# Altium PCB TG102LE4G_A7682_240822.PcbDoc (part 1 of 2) (continued)
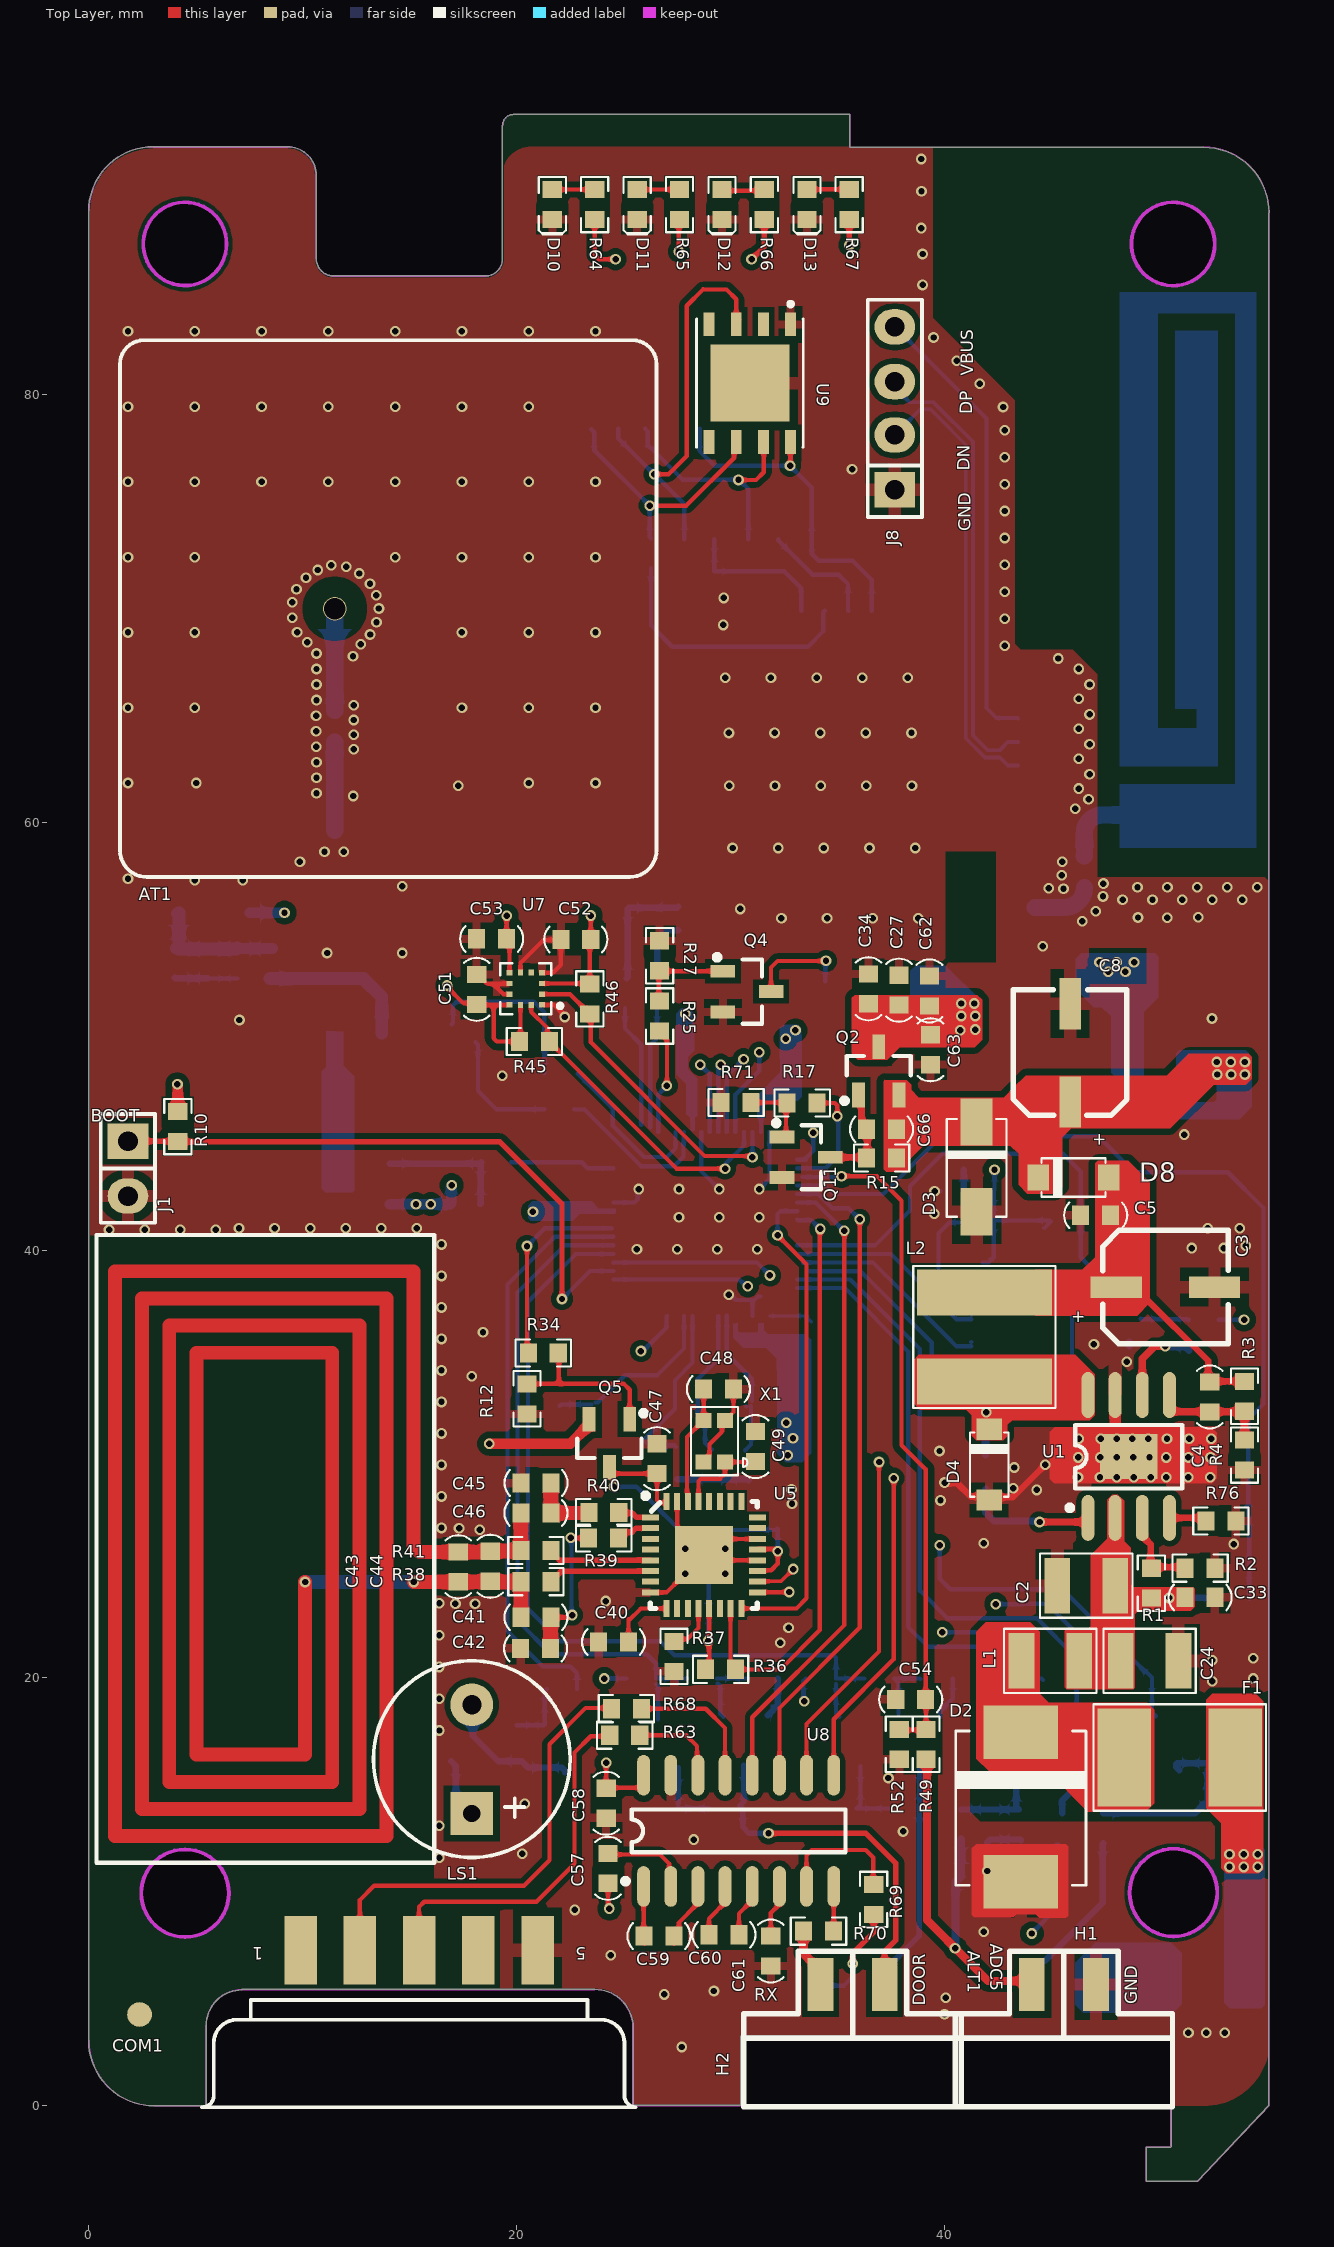
[diagram p0: Top Layer view]
## Footprints (in the part's own frame and the unit in brackets; to place one, negate y for a bottom-side part, rotate by r counter-clockwise, add the part's x,y. Pads: shape width x height; smd on the part's side, far side on the other; paste and mask are expansions set on the pad) (continued)
  rect 0.9x0.25 smd: 17(4.243,-3.216) 18(4.243,-2.816) 19(4.243,-2.416) 20(4.243,-2.016) 21(4.243,-1.616) 22(4.243,-1.216) 23(4.243,-0.816) 24(4.243,-0.416) 25(4.243,-0.016) 26(4.243,0.384) 27(4.243,0.784) 28(4.243,1.184) 29(4.243,1.584) 30(4.243,1.984) 31(4.243,2.384) 32(4.243,2.784) 49(-4.357,2.784) 50(-4.357,2.384) 51(-4.357,1.984) 52(-4.357,1.584) 53(-4.357,1.184) 54(-4.357,0.784) 55(-4.357,0.384) 56(-4.357,-0.016) 57(-4.357,-0.416) 58(-4.357,-0.816) 59(-4.357,-1.216) 60(-4.357,-1.616) 61(-4.357,-2.016) 62(-4.357,-2.416) 63(-4.357,-2.816) 64(-4.357,-3.216)
  silkscreen extent -3.37,-5.95 2.84,2.68, body extent -4.58,-4.72 4.42,4.28, height 1.4
INDUCTOR-5D28 [mm] "Shielded Inductor 6x6mm"
  rect 2.15x6.3 smd: 1(-2.075,0) 2(2.075,0)
  silkscreen extent -3.33,-3.33 3.33,3.33, body extent -3.1,-3 2.9,3, height 3
"Jinchang - 1575" [mm] "Anten GPS, 25x25x4mm"
  round 1.1 hole 1: 1(0,-2.5)
  round 2.5 smd far side: 1(0,-2.5)
  Top Layer pour cut-out: -1.5,-2.5 -1.386,-3.074 -1.061,-3.561 -0.574,-3.886 0,-4 0,-4 0.574,-3.886 1.061,-3.561 1.386,-3.074 1.5,-2.5 1.5,-2.5 1.386,-1.926 1.061,-1.439 0.574,-1.114 0,-1 0,-1 -0.574,-1.114 -1.061,-1.439 -1.386,-1.926 -1.5,-2.5
  Bottom Layer pour cut-out: -1.75,-2.5 -1.617,-3.17 -1.237,-3.737 -0.67,-4.117 0,-4.25 0,-4.25 0.67,-4.117 1.237,-3.737 1.617,-3.17 1.75,-2.5 1.75,-2.5 1.617,-1.83 1.237,-1.263 0.67,-0.883 0,-0.75 0,-0.75 -0.67,-0.883 -1.237,-1.263 -1.617,-1.83 -1.75,-2.5
  silkscreen extent -12.55,-12.55 12.55,12.55, body extent -12.55,-12.4 12.45,12.6, height 5
JP2 [mil] "Jumper 2, 2.54x2p"
  rect 65x75 hole 36.02: 1(-50.5,0)
  oval 65x75 hole 36.02: 2(50.5,0)
  silkscreen extent -100,-50 100,50
JP4 [mil] "Jumper 4, 2.54x4p"
  rect 65x75 hole 36.02: 1(-150,0)
  oval 65x75 hole 36.02: 2(-49,0) 3(49,0) 4(150,0)
  silkscreen extent -200,-50 200,50
KXTJ3-1057 [mm]
  rect 0.275x0.25 smd: 1(-0.763,0.75) 2(-0.763,0.25) 3(-0.763,-0.25) 4(-0.763,-0.75) 7(0.763,-0.75) 8(0.763,-0.25) 9(0.763,0.25) 10(0.763,0.75)
  rect 0.25x0.275 smd: 5(-0.25,-0.763) 6(0.25,-0.763) 11(0.25,0.763) 12(-0.25,0.763)
  silkscreen extent -1.7,-1.19 1.19,1.19, body extent -1,-0.9 1,1.1, height 1
"LED - 0603 - R" [mm] "Chip Capacitor, Body 1.6x0.8mm, IPC High Density"
  rect 0.8x0.9 smd: 1(-0.7,0) 2(0.7,0)
  silkscreen extent -1.3,-0.64 1.4,0.64, body extent -0.8,-0.4 0.8,0.4, height 0.6
MUP-C7801-2 [mm]
  rect 0.75x1.13 smd: 1(0.26,6.743) 2(-2.28,6.743) 3(-4.82,6.743) 5(1.53,6.743) 6(-1.01,6.743) 7(-3.55,6.743)
  rect 0.65x1.13 smd: CD(2.48,6.743)
  rect 1x2.2 smd: FR(-6.5,-6.742) FR(-6.5,5.258) FR(6.5,-6.742) FR(6.5,5.258)
  Top Layer pour cut-out: 0.285,-7.143 2.235,-7.143 2.235,-4.343 0.285,-4.343
  Top Layer pour cut-out: -2.255,-7.143 -0.305,-7.143 -0.305,-4.343 -2.255,-4.343
  Top Layer pour cut-out: 0.485,-1.242 2.035,-1.242 2.035,1.707 0.485,1.707
  Top Layer pour cut-out: -2.055,-1.242 -2.055,1.707 -0.505,1.707 -0.505,-1.242
  Top Layer pour cut-out: -4.595,-1.242 -3.045,-1.242 -3.045,1.707 -4.595,1.707
  Top Layer pour cut-out: -4.795,-4.343 -2.845,-4.343 -2.845,-7.143 -4.795,-7.143
  Top Layer pour cut-out: 0.6,3.107 2,3.107 2,5.407 0.6,5.407
  silkscreen extent -6.1,-7.49 6.1,6.01, body extent -6.55,-7.44 6.54,7.14, height 1.44
"Quectel L76" [mil] "Quectel module GPS, 18 lead, 9.7mmx10.1mm"
  rrect100% 70.87x31.5 smd: 1(-190.94,173.23) 2(-190.94,129.92) 3(-190.94,86.61) 4(-190.94,43.31) 5(-190.94,0) 6(-190.94,-43.31) 7(-190.94,-86.61) 8(-190.94,-129.92) 9(-190.94,-173.23) 10(190.94,-173.23) 11(190.94,-129.92) 12(190.94,-86.61) 13(190.94,-43.31) 14(190.94,0) 15(190.94,43.31) 16(190.94,86.61) 17(190.94,129.92) 18(190.94,173.23)
  silkscreen extent -256,-199 150,199, body extent -191,-199 191,199, height 99
SIM800C_1 [mm] "GSM/GPRS solution in a SMT type, 42 lead, 17.6*15.7*2.3mm"
  oval 1.8x0.6 smd: 1(-7.95,6.05) 2(-7.95,4.95) 3(-7.95,3.85) 4(-7.95,2.75) 5(-7.95,1.65) 6(-7.95,0.55) 7(-7.95,-0.55) 8(-7.95,-1.65) 9(-7.95,-2.75) 10(-7.95,-3.85) 11(-7.95,-4.95) 12(-7.95,-6.05) 22(7.95,-6.05) 23(7.95,-4.95) 24(7.95,-3.85) 25(7.95,-2.75) 26(7.95,-1.65) 27(7.95,-0.55) 28(7.95,0.55) 29(7.95,1.65) 30(7.95,2.75) 31(7.95,3.85) 32(7.95,4.95) 33(7.95,6.05)
  oval 0.6x1.8 smd: 13(-4.4,-8.9) 14(-3.3,-8.9) 15(-2.2,-8.9) 16(-1.1,-8.9) 17(0,-8.9) 18(1.1,-8.9) 19(2.2,-8.9) 20(3.3,-8.9) 21(4.4,-8.9) 34(4.4,8.9) 35(3.3,8.9) 36(2.2,8.9) 37(1.1,8.9) 38(0,8.9) 39(-1.1,8.9) 40(-2.2,8.9) 41(-3.3,8.9) 42(-4.4,8.9)
  silkscreen extent -10,-8.8 7.85,8.8, body extent -7.85,-8.8 7.85,8.8, height 2.5
SOD-123 [mm] "SOD123, 2-Leads, Body 2.6x1.6mm, Pitch 3.05mm, IPC High Density"
  rect 1.2x1 smd: 1(0,-1.652) 2(0,1.652)
  silkscreen extent -0.9,-1.5 0.9,1.5, body extent -0.8,-1.85 0.8,1.85, height 1.27
"SOIC8 - POWER" [mm] "SOIC, 8-Leads, Body 4.9x3.9mm, Pitch 1.27mm, IPC Medium Density"
  oval 2.15x0.6 smd: 1(-2.875,1.905) 2(-2.875,0.635) 3(-2.875,-0.635) 4(-2.875,-1.905) 5(2.875,-1.905) 6(2.875,-0.635) 7(2.875,0.635) 8(2.875,1.905)
  rect 2.1x2.7 smd: 9(0,0)
  silkscreen extent -2.52,-2.5 1.48,2.88, body extent -3,-2.45 3,2.45, height 1.75
SOIC16 [mm] "SOIC, 16-Leads, Body 9.9x3.9mm, Pitch 1.27mm, IPC High Density"
  oval 1.9x0.6 smd: 1(-2.6,4.445) 2(-2.6,3.175) 3(-2.6,1.905) 4(-2.6,0.635) 5(-2.6,-0.635) 6(-2.6,-1.905) 7(-2.6,-3.175) 8(-2.6,-4.445) 9(2.6,-4.445) 10(2.6,-3.175) 11(2.6,-1.905) 12(2.6,-0.635) 13(2.6,0.635) 14(2.6,1.905) 15(2.6,3.175) 16(2.6,4.445)
  silkscreen extent -2.47,-5 1,5.42, body extent -3.02,-5 2.98,5, height 1.75
SOT23-5 [mm] "SOT23, 5-Leads, Body 2.10x2.30mm, Pitch 0.65mm, IPC Medium Density"
  rect 1.1x0.6 smd paste-0.05: 1(-1.4,0.95) 2(-1.4,0) 3(-1.4,-0.95) 4(1.4,-0.95) 5(1.4,0.95)
  silkscreen extent -1.33,-1.55 0.65,2, body extent -1.52,-1.56 1.68,1.54, height 1.45
SOT23B [mm] "SOT23, 3-Leads, Body 2.9x1.3mm, Pitch 0.95mm, Lead Span 2.4mm, IPC High Density"
  rect 1.15x0.6 smd: 1(-1.125,0.95) 2(-1.125,-0.95) 3(1.125,0)
  silkscreen extent -1.52,-1.5 0.7,1.72, body extent -1.25,-1.5 1.25,1.5, height 1.05

## Part data
AT1: library part "ANT-GPS 25x25", "25x25x4mm thick GPS Patch Antenna", MFR="Jinchang & Amotech", MPN=JTDT1575-1602S, MPN2=A25-4102820-AMT23, Company ID="VT_ANT_GPS 1596"
AT2: library part ANT_GSM_PCB, "Antenna GSM PCB", MFR=VNET, MPN=PCB
C1 C5 C6 C7 C10 C12 C13 C16 C20 C27 C29 C31 C33 C37 C39 C47 C50 C51 C52 C53 C54 C55 C56 C57 C58 C59 C60 C61 C66 C67: library part "Cap 0603 100nF", "CAP CER 100nF 50V C0G/NP0 0603 ±5%", MFR=SAMSUNG, MPN=CL10C104JB8NNNC, Package=0603, Voltage=50V, Company ID="VT_CAP_C0603 100nF", Size="C0603: 100nF"
C2 C24: library part "Cap 1210 4.7uF", "CAP CER 4.7UF 100V X5R 1210", MFR="Taiyo Yuden", MPN=HMK325BJ475KM-PE, Company ID="VT_CAP_C1210 4.7uF 100V", Size="C1210: 4.7uF/100V"
C3: library part "Cap Alu 10uF/35V", "CAP ALUM 100UF 20% 6.3V SMD 5x5.4mm", MFR=Nichicon, MPN=UWT1V100MCL1GB, Company ID="VT_CAP_ALU 10uF 35V"
C4 C62: library part "Cap 0603 33pF", "CAP CER 33PF 50V C0G 0603", MFR=Yageo, MPN=AC0603FRNPO9BN330, Company ID="VT_CAP_C0603 33pF", Size="C0603: 33pF"
C8 C26: library part "Cap Alu 10uF/35V", "CAP ALUM 10UF 20% 35V SMD 5x5.4mm", MFR=Nichicon, MPN=UWT1V100MCL1GB, Company ID="VT_CAP_ALU 10uF 35V"
C9 C68: library part "Cap 0603 10nF", "CAP CER 10nF 50V C0G/NP0 0603", MFR=SAMSUNG, MPN=CL10C103JB8NNNC, Company ID="VT_CAP_C0603 10nF", Size="C0603: 10nF"
C11 C14 C15 C17 C28: library part "Cap 0603 2.2uF", "CAP CER 2.2UF 16V X7R 0603", MFR=SAMSUNG, MPN=CL10A225KQ8NNNC, Company ID="VT_CAP_C0603 2.2uF", Size="C0603: 2.2uF"
C18 C19 C21 C22 C38 C48 C49: library part "Cap 0603 22pF", "CAP CER 22PF 50V C0G/NP0 0603", MFR=SAMSUNG, MPN=CL10C220JB8NNNC, Company ID="VT_CAP_C0603 22pF", Size="C0603: 22pF"
C23 C30 C34 C64: library part "Cap 0603 10uF", "CAP CER 10UF 16V X5R 0603", MFR=Yageo, MPN=EMK107BBJ106MA-T, Package=0603, Company ID="VT_CAP_C0603 10uF", Size="C0603: 10uF"
C25 C32 C35 C36: library part "Cap 0603 NM", "CAP CER xxPF 0603", MFR=Yageo, Company ID="VT_CAP_C0603 NM", MPN=NM, Size="C0603: NM"
C40: library part "Cap 0603 1nF", "CAP CER 1000PF 50V C0G/NP0 0603", MFR=SAMSUNG, MPN=CL10C102JB8NNNC, Company ID="VT_CAP_C0603 1nF", Size="C0603: 1nF"
C41 C42 C45 C46: library part "Cap 0603 150pF", "CAP CER 150PF 50V C0G/NP0 0603", MFR=SAMSUNG, MPN=CL10C151JB8NNNC, Company ID="VT_CAP_C0603 150pF", Size="C0603: 150pF"
C43 C44: library part "Cap 0603 220pF", "CAP CER 220PF 50V C0G/NP0 0603", MFR=SAMSUNG, MPN=CL10C221JB8NNNC, Company ID="VT_CAP_C0603 220pF", Size="C0603: 220pF"
C63: library part "Cap 0603 10pF", "CAP CER 10PF 50V C0G/NP0 0603", MFR=SAMSUNG, MPN=CL10C100JB8NNNC, Company ID="VT_CAP_C0603 10pF", Size="C0603: 10pF"
COM1: library part "DB9M S", "CONN D-SUB PLUG 9POS PNL MNT", MFR="Norcomp Inc.", MPN=772-E09-103R001, Company ID="VT_CONN_DB9 male, thẳng"
D1 D4 D8: library part "Diode PMEG6020ER", "DIODE SCHOTTKY 60V 2A SOD123W", MFR=NXP, MPN=PMEG6020ER,115, Company ID=VT_DIODE_PMEG6020ER
D2: library part "Diode SMCJ36A", "TVS DIODE 36V 58.1V DO214AB", MFR=Vishay, MPN=SMCJ36A-E3/9AT, Company ID="VT_DIODE_ SMCJ36"
D3: library part "Diode SMAJ5.0A", "TVS DIODE 5VWM 9.2VC SMA", MFR="Littelfuse Inc.", Company ID="VT_DIODE_ SMAJ5.0A", MPN=SMAJ5.0A
D5 D7 D9: library part "Diode 1N4148", "DIODE GEN PURP 100V 300MA SOD123", MFR=DIODES, MPN=1N4148W-7-F, Company ID=VT_DIODE_1N4148W-7-F
D10 D11 D12 D13: library part "LED 0603 RED", "LED RED CLEAR 0603 SMD", MFR=Everlight, MPN=QTLP601CRTR, Company ID="VT_LED_0603 RED", Size="LED 0603 - RED"
F1: library part "Fuse 60V - 750mA", "PTC RESET FUSE 60V 750MA 2016", MFR="Littelfuse Inc.", MPN=2016L075/60MR, Company ID="VT_Fuse_60V - 750mA"
H1 H2: library part "HD2x2 S", "Micro-Fit 3.0™ Straight Header, 3.00mm Pitch, Dual Row, 4 Circuits", MFR=China, MPN=M3045-2x2-B, MPN2=43045-, Company ID="VT_CONN_2*2 (M3045)"
J1: library part JP2, "Jumper 2, 2.54mmx2"
J2: library part "Socket Nano SIM MUP-C7801-2", "Socket Nano Sim 7pin (6+1)", MFR=MUP, Company ID="VT_CONN_SIM MUP-C7801-2", MPN=MUP-C7801-2
J8: library part JP4, "Jumper 4, 2.54mmx4"
L1: library part "Inductor 3225 2.2uH", "FIXED IND 2.2UH 1.6A 76 MOHM SMD", MFR=Murata, MPN=LQH32PN2R2NN0, MPN2=SWPA3015S2R2NT, Company ID="VT_IND_3225 2.2uH", Size="L3225: 2.2uH"
L2: library part "Inductor 10uH 2.5A", "FIXED IND 10UH 2.5A 61.1MOHM SMD", MFR="Taiyo Yuden", MPN=NR6045T100M, Company ID=VT_IND_10uH/2.5A
LS1: library part Speaker, "Buzzer 9*6mm (D*h)", MFR=China, MPN=TMB09A03, Company ID="VT_Buzzer 3V 9mm"
M1: library part "Quectel L76", "L76 series, the smallest GNSS modules", MFR=Quectel, MPN=L76-LB, Company ID="VT_Module_GPS L76-LB"
M2: library part SIM800C_1, "SIM800C is a complete Quad-band GSM/GPRS solution in a SMT type", MFR=SIMCOM, Company ID="VT_Module_GSM SIM800C", MPN=SIM800C
Q1 Q4 Q6 Q7 Q8 Q9 Q10 Q11 Q12 Q13: library part "Transistor 2N3904", "TRANS NPN 40V 0.2A SOT-23", MFR=Fairchild, MPN=MMBT3904, Company ID=VT_TRANSISTOR_3904
Q2 Q3 Q5: library part "MOSFET IRLML6402TRPBF", "MOSFET P-CH 30V 3.6A SOT-23-3", MFR="Infineon Technologies", MPN=IRLML6402TRPBF, Company ID=VT_MOSFET_IRLML6402TRPBF
R1 R3 R12 R14 R15: library part "Res 0603 294K", "RES SMD 294K OHM 1% 1/10W 0603", MFR=Yageo, MPN=RC0603FR-07294KL
  R1 R3: Company ID="VT_RES_R0603 294K"
  R12 R14 R15: Company ID="VT_ĐIỆN TRỞ_R0603 294K"
R2 R56 R59 R76: library part "Res 0603 42.2K", "RES SMD 42K2 OHM 1% 1/10W 0603", MFR=Yageo, MPN=RC0603FR-0742K2L, Company ID="VT_RES_R0603 42K2", Size="R0603: 42K2"
R4: library part "Res 0603 68K", "RES SMD 68K OHM 1% 1/10W 0603", MFR=Yageo, MPN=RC0603FR-0768KL, Company ID="VT_RES_R0603 68K", Size="R0603: 68K"
R5 R51 R53 R61 R62 R72: library part "Res 0603 100K", "RES SMD 100K OHM 1% 1/10W 0603", MFR=Yageo, MPN=RC0603FR-07100KL, Company ID="VT_RES_R0603 100K", Size="R0603: 100K"
R6: library part "Res 0603 210K", "RES SMD 210K OHM 1% 1/10W 0603", MFR=Yageo, MPN=RC0603FR-07210KL, Company ID="VT_RES_R0603 210K", Size="R0603: 210K"
R7 R8 R9 R10 R17 R23 R25 R27 R36 R37 R42 R43 R44 R47 R48 R49 R50 R54 R58 R60 R71 R73 R75: library part "Res 0603 10K", "RES SMD 10K OHM 1% 1/10W 0603", MFR=Yageo, MPN=RC0603FR-0710KL, Company ID="VT_RES_R0603 10K", Size="R0603: 10K"
R11 R26 R39 R40: library part "Res 0603 0R", "RES SMD 0 OHM JUMPER 1/10W 0603", MFR=Yageo, MPN=RC0603FR-070RL, Company ID="VT_RES_R0603 0R", Size="R0603: 0R"
R16 R34 R64 R65 R66 R67: library part "Res 0603 3.3K", "RES SMD 3.3K OHM 1% 1/10W 0603", MFR=Yageo, MPN=RC0603FR-073K3L, Company ID="VT_RES_R0603 3.3K", Size="R0603: 3.3K"
R19 R20 R21 R24 R55 R63 R68 R69 R70 R74: library part "Res 0603 1K", "RES SMD 1K OHM 1% 1/10W 0603", MFR=Yageo, MPN=RC0603FR-071KL, Company ID="VT_RES_R0603 1K", Size="R0603: 1K"
R22 R29: library part "Res 0603 5.6K", "RES SMD 5.6K OHM 1% 1/10W 0603", MFR=Yageo, MPN=RC0603FR-075K6L, Company ID="VT_RES_R0603 5.6K", Size="R0603: 5.6K"
R28 R45 R46 R52: library part "Res 0603 4.7K", "RES SMD 4.7K OHM 1% 1/10W 0603", MFR=Yageo, MPN=RC0603FR-074K7L, Company ID="VT_RES_R0603 4.7K", Size="R0603: 4.7K"
R30 R31 R32: library part "Res 0603 22R", "RES SMD 22 OHM 1% 1/10W 0603", MFR=Yageo, MPN=RC0603FR-0722RL, Company ID="VT_RES_R0603 22R", Size="R0603: 22R"
R38 R41: library part "Res 0603 330R", "RES SMD 330OHM 1% 1/10W 0603", MFR=Yageo, MPN=RC0603FR-07330RL, Company ID="VT_RES_R0603 330R", Size="R0603: 330R"
U1: MFR=SGMICRO, MPN=SGM61630AXPS8G/TR, Company ID=VT_IC_SGM61630
U2: library part SPX3819M5-L-3-3/TR, "IC REG LINEAR 3.3V 500MA SOT23-5", MFR=MaxLinear, Company ID=VT_IC_SPX3819, MPN=SPX3819M5-L-3-3/TR
U5: "IC RFID RDR/TRN 13.56MZ 32VFQFPN", MFR=ST, MPN=CR95HF-VMD5T, Company ID=VT_IC_CR95HF
U6: library part "Flash 64Mb SOIC8", "IC FLASH 64MBIT CMOS SPI 8SOIC", MFR=Cypress, MPN=S25FL164K0XMFI013, MPN2="W25Q64JVSSIQ TR", Company ID="VT_IC_Bộ nhớ 8M 02"
U7: "ACCELEROMETER 2-16G I2C 12LGA", MFR="Kionix Inc.", Company ID=VT_IC_KXTJ3-1057, MPN=KXTJ3-1057
U8: "2/2 Transceiver Full RS232 16-SOIC", MFR=TI, MPN=MAX3232EIDR, Company ID=VT_IC_MAX3232
U9: library part SIM-E-MFF2-GL-250, "SIM Cards eUICC MFF2 Global SIM", MFR=HoloGram, Category=IC, MPN=SIM-E-MFF2-GL-250, PinCount=8, Solder=SMT
X1: library part XTAL-XRCBG27M, "CRYSTAL 27.12MHz RoHS", MFR=Murata, MPN=XRCGB27M120F3M00R0, Company ID="VT_CRYSTAL_SMD 27.12MHz"
Y1: library part "XTAL 8MHz 3225", "CRYSTAL 8.0MHZ 10PF SMD", MFR=Taisaw, MPN=TZ3313B, Company ID="VT_CRYSTAL_SMD 8M 3225"
Y2: library part "XTAL ABS07-32.768KHz", "CRYSTAL 32.7680KHZ 12.5PF SMD", MFR="Abracon LLC", MPN=ABS07-32.768KHZ-T, MPN2="FC-135 32.7680KA-A5", Company ID="VT_CRYSTAL_SMD 32.768KHz  2P"

## Free pads (board coordinates)
  round 1.152 all layers, no hole paste-0.05: 2(2.37,4.26)

## Via types
v1: diameter 0.5, hole 0.3, Top Layer to Bottom Layer, tented both sides, 382 vias

## Nets (pads, with @x,y where several pads share a name; then routed paths per layer and width w, separated by ;. In a path a pad name is that pad's centre, name@x,y a point inside that pad or via, vN(x,y) a via of type N, cw(c..) or ccw(c..) an arc to the next point about the centre after c; other vN are vias at no path point)
3V3-RF: C39.2 C47.2 C67.2 Q5.3 R36.2 U5.13 U5.19 U5.21 U5.32 | length 25
  Top Layer w0.203: Q5.3@24.34,29.855 24.34,29.75 Q5.3@24.491,29.599 ; v1(24.548,28.936) 24.491,28.993 Q5.3@24.491,29.599 ; U5.32@26.972,28.194 26.69,28.194 26.571,28.313 C47.2@26.571,29.551 24.539,29.551 Q5.3@24.491,29.599 ; U5.13@29.01,23.25 29.01,20.407 R36.2@29.02,20.396 ; U5.19@31.26,25 31.298,25.038 31.908,25.038 32.215,25.345 32.215,25.825 v1@32.23,25.84 ; U5.21@31.26,26 31.295,26.035 32.096,26.035 v1(32.215,25.916)
  Bottom Layer w0.203: v1(24.548,28.936) 25.604,28.936 26.717,27.823 26.717,27.813 26.925,27.605 26.935,27.605 27.62,26.92 28.98,26.92 ; v1@29.02,21.74 28.97,21.79 28.97,23.035 28.98,23.045 28.98,26.92 ; v1(32.215,25.916) 32.215,26.951 C67.2@32.197,26.97 32.147,26.92 28.98,26.92
  other v1: 28.97,21.738
4V: C6.2 C8.1 C66.2 D3.2 D8.2 Q2.2 R15.1 U2.1 U2.3
  other v1: 52.765,48.217 53.412,48.217 54.06,48.217 52.739,48.801 53.4,48.801 54.06,48.801
ACC: Q9.3 R50.1 U3.1 | length 40.9
  Signal2 layer w0.2: v1(33.87,45.495) 33.891,45.474 37.511,45.474 38.67,44.315 38.67,27.32 v1(39.785,26.205)
  Bottom Layer w0.2: U3.1@33.132,44.229 33.457,44.229 33.87,44.641 v1(33.87,45.495) ; v1(39.785,26.205) 39.785,24.645 40.28,24.15 45.53,24.15 49.36,20.32 49.41,20.32 49.71,20.02 R50.1@49.71,19.97 49.71,18.384 Q9.3@49.887,18.207
"ACC IN": H1.1 R5.2 | length 8.1
  Bottom Layer w0.3: H1.1@44.093,5.664 44.093,6.314 44.543,6.764 44.694,6.764 47.41,9.48 47.41,12.245 R5.2@47.43,12.265
ADC_5V: D9.2 H1.2 R49.2 R53.2 | length 18.9
  Top Layer w0.381: R49.2@39.2,16.195 39.2,8.67 42.04,5.83 43.927,5.83 H1.2@44.093,5.664
  Bottom Layer w0.381: v1(40.505,7.365) 40.528,7.388 40.528,10.455 D9.2@40.793,10.721 40.791,10.723 R53.2@40.791,12.445
ADC_POWER_IN: C20.2 R6.1 R9.2 U3.4 | length 43
  Bottom Layer w0.203: U3.4@33.132,43.029 34.406,43.029 34.805,42.63 37.155,42.63 39.85,45.325 47.2,45.325 48.875,43.65 53.26,43.65 54.93,41.98 54.93,32.812 54.22,32.102 C20.2@54.22,27.595 ; C20.2@54.205,27.575 54.255,27.525 R9.2@54.255,25.15 R6.1@54.255,23.695
AIR: H2.3 Q13.3 R72.2 | length 10.7
  Bottom Layer w0.254: H2.3@37.212,5.664 37.212,6.314 38.83,7.932 R72.2@38.83,14.08 ; R72.2@38.851,14.249 Q13.3@38.851,15.907
ALT1.1: Q10.3 R60.1 U3.15 | length 29.5
  Bottom Layer w0.2: U3.15@33.132,38.629 35.606,38.629 36.413,37.822 36.419,37.822 38.86,35.38 38.86,24.082 40.152,22.79 44.338,22.79 46.191,20.936 R60.1@46.191,19.971 46.191,18.451 Q10.3@46.17,18.43
ALT1.2: Q7.3 R48.1 U3.16 | length 26.7
  Bottom Layer w0.2: U3.16@33.132,38.229 35.351,38.229 38.312,35.268 38.312,22.388 39.238,21.462 41.633,21.462 41.75,21.345 R48.1@41.75,19.97 41.75,18.43 41.88,18.3 42.27,18.3 Q7.3@42.33,18.24
BOOT0: J1.1 R10.2 U3.35 U5.17 | length 52.6
  Top Layer w0.2: U5.17@31.26,24 31.269,24.009 32.747,24.009 v1(32.756,24.019)
  Top Layer w0.254: J1.1@1.829,45.098 4.142,45.098 R10.2@4.16,45.08 19.21,45.08 22.125,42.165 v1(22.125,37.72)
  Signal2 layer w0.2: v1(22.125,37.72) 22.116,37.711 22.116,29.34 23.446,28.01 29.689,28.01 31.52,26.179 31.52,24.636 32.109,24.046 32.728,24.046 v1(32.756,24.019)
  Bottom Layer w0.2: v1@22.095,37.74 22.145,37.74 23.434,39.029 U3.35@24.532,39.029
BUZZ: R7.2 U3.39 | length 26.9
  Bottom Layer w0.2: 21.565,40.405 21.789,40.629 U3.39@24.532,40.629 ; 21.569,40.401 19.572,38.404 19.572,22.181 21.223,20.53 22.51,20.53 22.823,20.217 R7.2@22.823,19.482
D_N: J8.2 M2.26 | length 21.2
  Bottom Layer w0.178: J8.2@37.69,78.125 38.887,79.323 39.355,79.323 39.696,78.982 41.009,77.669 41.009,63.939 41.902,63.046 42.59,63.046 42.694,62.942 42.694,62.94 42.973,62.661 M2.26@43.459,62.661
D_P: J8.3 M2.25 | length 21.3
  Bottom Layer w0.178: J8.3@37.69,80.615 37.69,80.343 38.38,79.653 39.492,79.653 39.589,79.556 41.339,77.806 41.339,64.076 41.555,63.86 42.039,63.376 42.59,63.376 42.694,63.48 42.694,63.481 42.973,63.761 M2.25@43.459,63.761
DOOR: H2.4 Q8.3 R51.2 | length 16.6
  Top Layer w0.254: v1@31.7,12.73 36.342,12.73 37.74,11.331 37.74,7.74 37.212,7.212 H2.4@37.212,5.664
  Bottom Layer w0.254: R51.2@30.446,14.03 30.632,14.217 Q8.3@30.632,15.918 ; R51.2@30.58,13.89 30.58,13.03 30.88,12.73 31.69,12.73 v1@31.74,12.68
  other v1: 31.78,12.73
E_CLK: J2.3 R31.2 U9.6 | length 11.7
  Top Layer w0.203: v1(26.225,74.82) 27.935,74.82 30.175,77.06 30.175,77.435 U9.6@30.295,77.555
  Bottom Layer w0.203: J2.3@23.501,78.387 23.638,78.249 23.638,77.407 v1(26.225,74.82) 26.225,73.357 R31.2@26.289,73.293
E_DATA: J2.7 R32.2 U9.3 | length 19.2
  Top Layer w0.203: v1(26.445,76.285) 27.105,76.285 27.96,77.14 27.96,84.17 28.72,84.93 ; 28.72,84.928 29.817,84.928 30.275,84.47 30.275,83.65 U9.3@30.42,83.505
  Bottom Layer w0.203: J2.7@24.75,78.407 24.75,77.967 26.432,76.285 v1(26.445,76.285) 27.848,74.882 R32.2@27.848,73.244
E_RST: J2.2 R30.2 U9.7 | length 11.2
  Top Layer w0.203: v1(30.38,76.02) 31.195,76.02 31.56,76.385 U9.7@31.56,77.58
  Bottom Layer w0.203: J2.2@26.02,78.407 26.143,78.285 26.143,77.657 27.763,76.036 30.396,76.036 30.842,75.59 R30.2@30.842,73.244
E_VCC: C37.1 J2.1 M2.18 U9.8 | length 15.9
  Top Layer w0.203: v1(32.79,76.685) 32.802,76.697 32.802,77.783 U9.8@32.815,77.795
  Bottom Layer w0.203: J2.1@28.56,78.407 28.56,77.378 29.253,76.685 v1(32.79,76.685) 33.804,75.671 33.804,72.572 34.133,72.243 35.707,72.243 36.609,71.341 M2.18@36.609,69.911
EN_GPS: R16.1 U3.47 | length 4.9
  Bottom Layer w0.2: R16.1@19.743,44.11 23.048,44.11 23.33,43.829 U3.47@24.532,43.829
EN_GSM: R17.2 U3.2 | length 5.5
  Top Layer w0.2: R17.2@34.055,46.885 34.883,46.885 35,46.768 v1(35,46.27)
  Bottom Layer w0.2: U3.2@33.132,43.829 34.434,43.829 35.045,44.44 35.045,46.225 v1(35,46.27)
FB_PW: C4.1 R3.1 R4.2 U1.5 | length 5.4
  Top Layer w0.338: U1.5@50.531,33.231 50.531,32.571 50.652,32.45 R3.1@53.88,32.45 ; R4.2@54.04,31.13 R3.1@54.04,32.47
FLASH_SPI_CS: R43.1 U3.11 U6.1 | length 22.5
  Bottom Layer w0.2: U3.11@33.132,40.229 36.759,40.229 38.395,41.865 38.395,42.991 39.916,44.512 45.554,44.512 46.381,43.684 46.381,41.322 46.381,39.669 46.735,39.315 U6.1@48.66,39.315
FLASH_SPI_MISO: U3.14 U6.2 | length 19.5
  Bottom Layer w0.2: U3.14@33.577,39.015 36.091,39.015 36.784,38.322 39.416,35.69 39.416,35.034 39.835,34.615 45.785,34.615 45.97,34.8 45.97,37.14 46.875,38.045 U6.2@48.085,38.045
FLASH_SPI_MOSI: U3.13 U6.5 | length 9.5
  Bottom Layer w0.2: U3.13@33.395,39.415 33.409,39.429 36.664,39.429 37.27,38.822 40.299,35.793 40.299,35.774 40.568,35.505 U6.5@41.26,35.505
FLASH_SPI_SCK: U3.12 U6.6 | length 9.4
  Bottom Layer w0.2: U3.12@33.132,39.829 37.515,39.829 40.29,37.053 40.568,36.775 U6.6@41.26,36.775
GND: C2.1 C3.2 C5.1 C6.1 C7.1 C8.2 C9.2 C10.1 C11.1 C12.1 C13.2 C14.1 C15.1 C16.1 C17.1 C18.1 C19.1 C20.1 C21.1 C22.1 C23.1 C24.1 C25.1 C26.2 C27.1 C28.1 C29.1 C30.1 C31.1 C32.1 C33.1 C34.1 C35.1 C36.1 C37.2 C38.1 C39.1 C40.2 C42.1 C45.2 C47.1 C48.1 C49.1 C50.1 C51.1 C52.1 C53.1 C54.1 C55.1 C56.1 C58.1 C61.1 C62.1 C63.1 C64.1 C67.1 C68.1 COM1.5 D2.1 D3.1 D4.1 D10.2 D11.2 D12.2 D13.2 H1.4 J1.2 J2.5 J2.FR J8.1 M1.1 M1.10 M1.12 M2.8 M2.13 M2.19 M2.21 M2.27 M2.30 M2.31 M2.33 M2.36 M2.37 Q1.2 Q4.2 Q6.2 Q7.2 Q8.2 Q9.2 Q10.2 Q11.2 Q12.2 Q13.2 R2.1 R4.1 R8.1 R9.1 R12.1 R22.2 R27.1 R29.1 R37.2 R52.1 R54.1 R56.1 R58.1 R59.1 R71.2 R73.1 R75.1 R76.1 U1.7 U1.9 U2.2 U3.19 U3.43 U3.56 U3.64 U5.8 U5.20 U5.22 U5.31 U5.33 U6.4 U7.1 U7.4 U7.6 U7.8 U7.9 U8.15 U9.1 U9.9 X1.2 X1.4 Y1.2 Y1.4 | length 55.6
  Top Layer w0.2: C51.1@18.368,52.667 C51.1@18.135,52.9 18.185,52.9 18.485,52.6 18.485,52.591 18.602,52.473 18.885,52.473 ; U7.9@19.671,51.973 19.385,51.973 18.885,52.473 ; U7.8@19.671,52.473 18.885,52.473 ; U7.6@20.183,52.986 20.183,53.438 21.255,54.51 22.047,54.51 C52.1@22.072,54.535 22.072,53.348 21.697,52.973 U7.4@21.196,52.973 ; U7.1@21.196,51.473 21.754,51.473 22.25,50.977 v1(22.25,50.905) ; U5.8@26.26,24 27.014,24 v1(27.888,24.874) U5.33@28.762,25.748 27.51,27.001 U5.31@27.51,28.25 ; X1.4@28.75,30.098 28.771,30.098 29.021,30.348 29.021,30.927 29.609,31.515 29.609,31.907 X1.2@29.75,32.048 29.775,32.048 30.025,32.298 30.025,32.323 30.14,32.438 C48.1@30.14,33.51 ; U5.33@29.75,25 29.75,25.238 30.012,25.5 U5.20@31.26,25.5 ; U5.33@29.752,26.162 29.752,26.24 30.012,26.5 U5.22@31.26,26.5
  Top Layer w0.3: v1(40.016,29.134) 40.054,29.096 40.618,29.096 41.226,28.488 41.934,28.488 42.226,28.196 42.226,28.348 42.333,28.455 43.203,28.455 v1(44.722,29.973) ; U1.9@47.991,31.099 U1.9@48.02,31.07
  Top Layer w0.5: U1.9@47.991,31.099 U1.7@47.991,33.231
  Bottom Layer w0.2: C23.1@5.56,52.71 5.564,52.706 C31.1@6.94,52.706 ; U3.43@24.532,42.229 25.514,42.229 25.663,42.378 25.663,42.882 v1@25.645,42.9 ; U3.56@28.632,45.529 28.632,43.703 29.395,42.94 v1@29.395,42.83 ; v1(29.925,37.925) 30.006,37.925 30.261,37.67 31.032,37.67 ; U3.19@31.032,36.929 31.032,37.587 31.285,37.84 31.395,37.84 ; v1@31.38,42.855 31.38,42.888 31.832,43.34 U3.64@31.832,45.529 ; Q13.2@39.812,18.168 39.812,18.443 40.4,19.032 R75.1@40.4,19.971 ; 39.812,42.76 39.824,42.772
  Bottom Layer w0.3: C30.1@4.02,52.75 4.055,52.715 5.555,52.715 C23.1@5.56,52.71 ; C19.1@27.522,29.285 C22.1@29.136,29.285 C21.1@30.75,29.285 30.81,29.285 C21.1@30.85,29.245 ; Q8.2@31.75,18.25 32.22,18.72 R58.1@32.22,19.971 ; C50.1@40.918,42.772 40.918,43.764 40.919,43.766 ; v1(42.01,10.97) 42.01,12.31 R56.1@42.09,12.39 ; R56.1@42.155,12.445 43.555,12.445 C55.1@43.59,12.41 ; U6.4@48.66,35.505 U6.4@48.66,35.73
  other v1: 27.72,2.74 51.42,3.41 52.25,3.41 53.12,3.41 40.01,4.27 40.07,5.04 26.9,5.2 29.23,5.36 24.4,7.03 41.85,8.13 22.72,9.15 16.39,11.595 20.26,11.78 28.28,12.44 38.075,12.82 16.39,13.081 20.38,14.11 37.39,15.32 16.39,17.54 16.39,19.027 52.53,19.85 54.45,19.97 16.39,20.513 52.53,20.83 54.45,20.927 32.335,21.65 16.39,21.999 32.72,22.345 17.141,23.473 18.061,23.473 16.39,23.486 24.17,23.594 29.75,24.874 27.888,26.035 29.752,26.035 53.54,26.26 41.85,26.3 18.281,26.933 17.311,27.003 16.49,27.015 32.88,28.14 39.825,28.3 16.49,28.487 44.32,28.79 32.86,28.81 43.22,28.87 46.251,29.38 47.283,29.38 48.072,29.38 48.861,29.38 49.65,29.38 50.377,29.38 51.409,29.38 52.44,29.38 43.269,29.84 16.49,29.96 46.261,30.31 47.293,30.31 48.062,30.31 48.831,30.31 49.6,30.31 50.387,30.31 51.419,30.31 52.45,30.31 39.78,30.61 46.291,31.19 47.323,31.19 48.062,31.19 48.801,31.19 49.54,31.19 50.417,31.19 51.449,31.19 52.48,31.19 16.49,31.433 16.49,32.906 17.907,34.11 16.49,34.379 48.54,34.78 47,35.61 16.49,35.852 18.43,36.17 16.49,37.324 16.49,38.797 25.63,40.04 27.507,40.04 29.385,40.04 31.262,40.04 51.577,40.1 53.072,40.1 54.105,40.215 16.49,40.27 0.945,40.96 2.609,40.96 4.273,40.96 5.937,40.96 7.021,41.03 8.685,41.03 10.348,41.03 12.012,41.03 13.676,41.03 15.34,41.03 52.325,41.03 53.82,41.03 27.597,41.54 29.475,41.54 31.352,41.54 39.53,41.71 39.549,42.753 25.72,42.86 27.597,42.86 29.475,42.86 31.352,42.86 51.23,45.409 19.337,48.152 7.04,50.766 52.52,50.835 11.14,53.899 14.66,53.899 44.61,54.21 46.455,55.38 32.387,55.521 34.521,55.521 36.655,55.521 38.79,55.521 50.43,55.55 49.06,55.56 51.88,55.57 47.085,55.855 30.46,55.96 48.339,56.385 49.738,56.385 51.137,56.385 52.535,56.385 53.934,56.385 47.425,56.545 44.89,56.92 45.575,56.91 49.039,56.975 50.437,56.975 51.836,56.975 53.235,56.975 54.633,56.975 14.66,57.022 47.445,57.145 4.953,57.3 7.19,57.3 1.829,57.367 45.495,57.54 9.87,58.165 45.52,58.17 11.018,58.631 11.915,58.631 30.102,58.811 32.237,58.811 34.371,58.811 36.505,58.811 38.64,58.811 46.12,60.65 46.75,61.09 12.365,61.24 10.645,61.372 46.285,61.589 17.27,61.715 29.952,61.721 32.087,61.721 34.221,61.721 36.356,61.721 38.49,61.721 1.83,61.85 5.028,61.85 20.569,61.85 23.692,61.85 10.645,62.098 46.795,62.259 10.645,62.824 46.285,62.987 12.38,63.425 10.63,63.55 46.795,63.657 12.38,64.11 29.932,64.191 32.067,64.191 34.201,64.191 36.336,64.191 38.47,64.191 10.625,64.265 46.285,64.386 12.38,64.795 10.625,65 46.795,65.056 1.83,65.37 4.953,65.37 17.446,65.37 20.569,65.37 23.692,65.37 12.38,65.48 10.645,65.727 46.285,65.785 10.645,66.453 46.795,66.455 29.762,66.771 31.897,66.771 34.031,66.771 36.166,66.771 38.3,66.771 10.645,67.179 46.285,67.183 45.335,67.67 12.35,67.78 10.645,67.905 42.83,68.27 12.71,68.34 10.21,68.425 13.15,68.795 1.83,68.89 4.953,68.89 9.735,68.905 17.446,68.89 20.569,68.89 23.692,68.89 29.67,69.24 13.45,69.37 42.83,69.529 9.51,69.57 13.565,70.01 9.51,70.3 29.683,70.504 13.445,70.635 42.83,70.789 9.71,70.905 13.145,71.16 10.155,71.445 12.645,71.645 10.705,71.81 12.03,71.965 11.34,72.025 42.83,72.048 1.83,72.41 4.953,72.41 14.323,72.41 17.446,72.41 20.569,72.41 23.692,72.41 42.83,73.307 42.83,74.567 42.83,75.826 1.83,75.93 4.953,75.93 8.076,75.93 11.2,75.93 14.323,75.93 17.446,75.93 20.569,75.93 23.692,75.93 35.69,76.52 42.83,77.086 42.83,78.345 42.75,79.43 1.83,79.45 4.953,79.45 8.076,79.45 11.2,79.45 14.323,79.45 17.446,79.45 20.569,79.45 41.667,80.513 40.583,81.597 39.5,82.68 1.83,82.97 4.953,82.97 8.076,82.97 11.2,82.97 14.323,82.97 17.446,82.97 20.569,82.97 23.692,82.97 38.985,85.14 38.985,86.587 38.92,87.8 38.935,89.52 38.92,91.03
GPS_RX: R20.1 U3.53 | length 7.6
  Bottom Layer w0.203: R20.1@22.865,48.26 24.495,46.63 24.495,45.835 25.97,44.36 27.031,44.36 27.432,44.761 U3.53@27.432,45.512
GPS_TX: R19.1 U3.54 | length 7.6
  Bottom Layer w0.203: R19.1@22.702,46.585 22.707,46.58 23.175,46.58 25.82,43.935 27.375,43.935 27.809,44.369 27.809,45.505 U3.54@27.832,45.529
GSM_RX: R28.1 U3.49 | length 5.8
  Bottom Layer w0.203: R28.1@25.071,51.318 25.071,50.368 25.832,49.607 U3.49@25.832,45.854
GSM_RX: M2.2 R28.2 R29.2 | length 5.7
  Bottom Layer w0.3: R28.2@25.147,52.718 25.197,52.768 R29.2@25.197,55.967 25.244,56.014 27.512,56.014 M2.2@27.559,56.061
GSM_TX: R24.1 U3.50 | length 5.7
  Bottom Layer w0.203: U3.50@26.256,45.755 26.256,49.591 26.571,49.906 R24.1@26.571,51.318
GSM_TX: M2.1 R24.2 | length 3
  Bottom Layer w0.3: R24.2@26.571,52.718 26.571,54.491 27.04,54.961 M2.1@27.559,54.961
"I2C SCL": R45.1 U3.61 U7.12 | length 14.8
  Top Layer w0.2: U7.12@20.683,51.461 20.683,51.152 21.442,50.393 21.442,49.853 R45.1@21.535,49.76 27.48,43.815 29.695,43.815 v1@29.735,43.775
  Top Layer w0.203: v1@29.735,43.815 v1(29.75,43.815)
  Bottom Layer w0.2: v1(29.75,43.815) 29.807,43.872 29.807,44.072 30.632,44.897 U3.61@30.632,45.529